# KiCad board SPCInterfaceBoard-v01.kicad_pcb (continued)
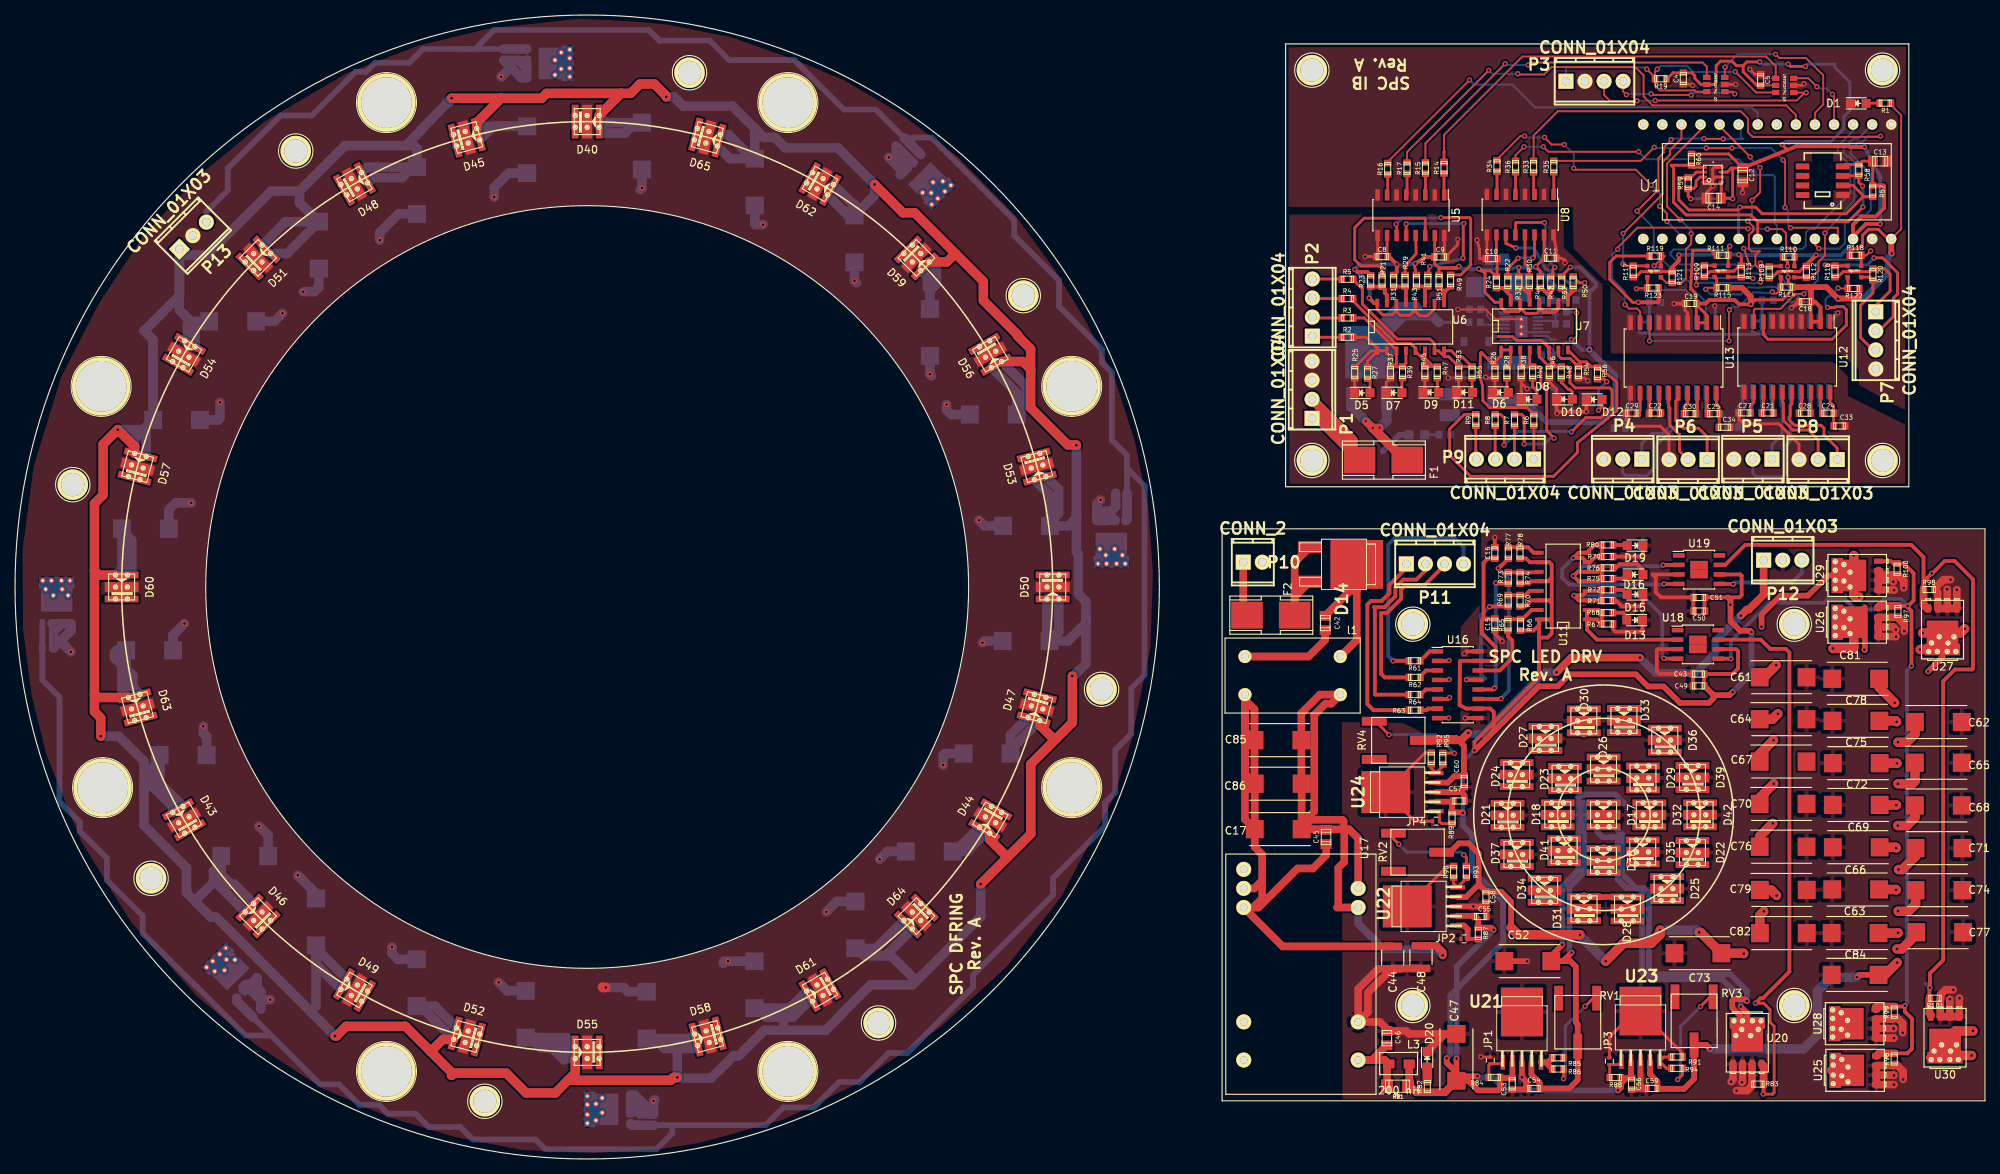
[diagram p0: board, top side]
## Copper pours and planes (outline as drawn; the poured copper is in the pictures) (continued)
Small or netless copper shapes (teardrops, artwork), in the pictures only: 1 on In1.Cu

## Text on the board
F.Silkscreen: SPC LED DRV / Rev. A | SPC DFRING / Rev. A | SPC IB / Rev. A
